# Altium PCB PiMX8MPIO_r0.1.PcbDoc (part 3 of 5) (continued)
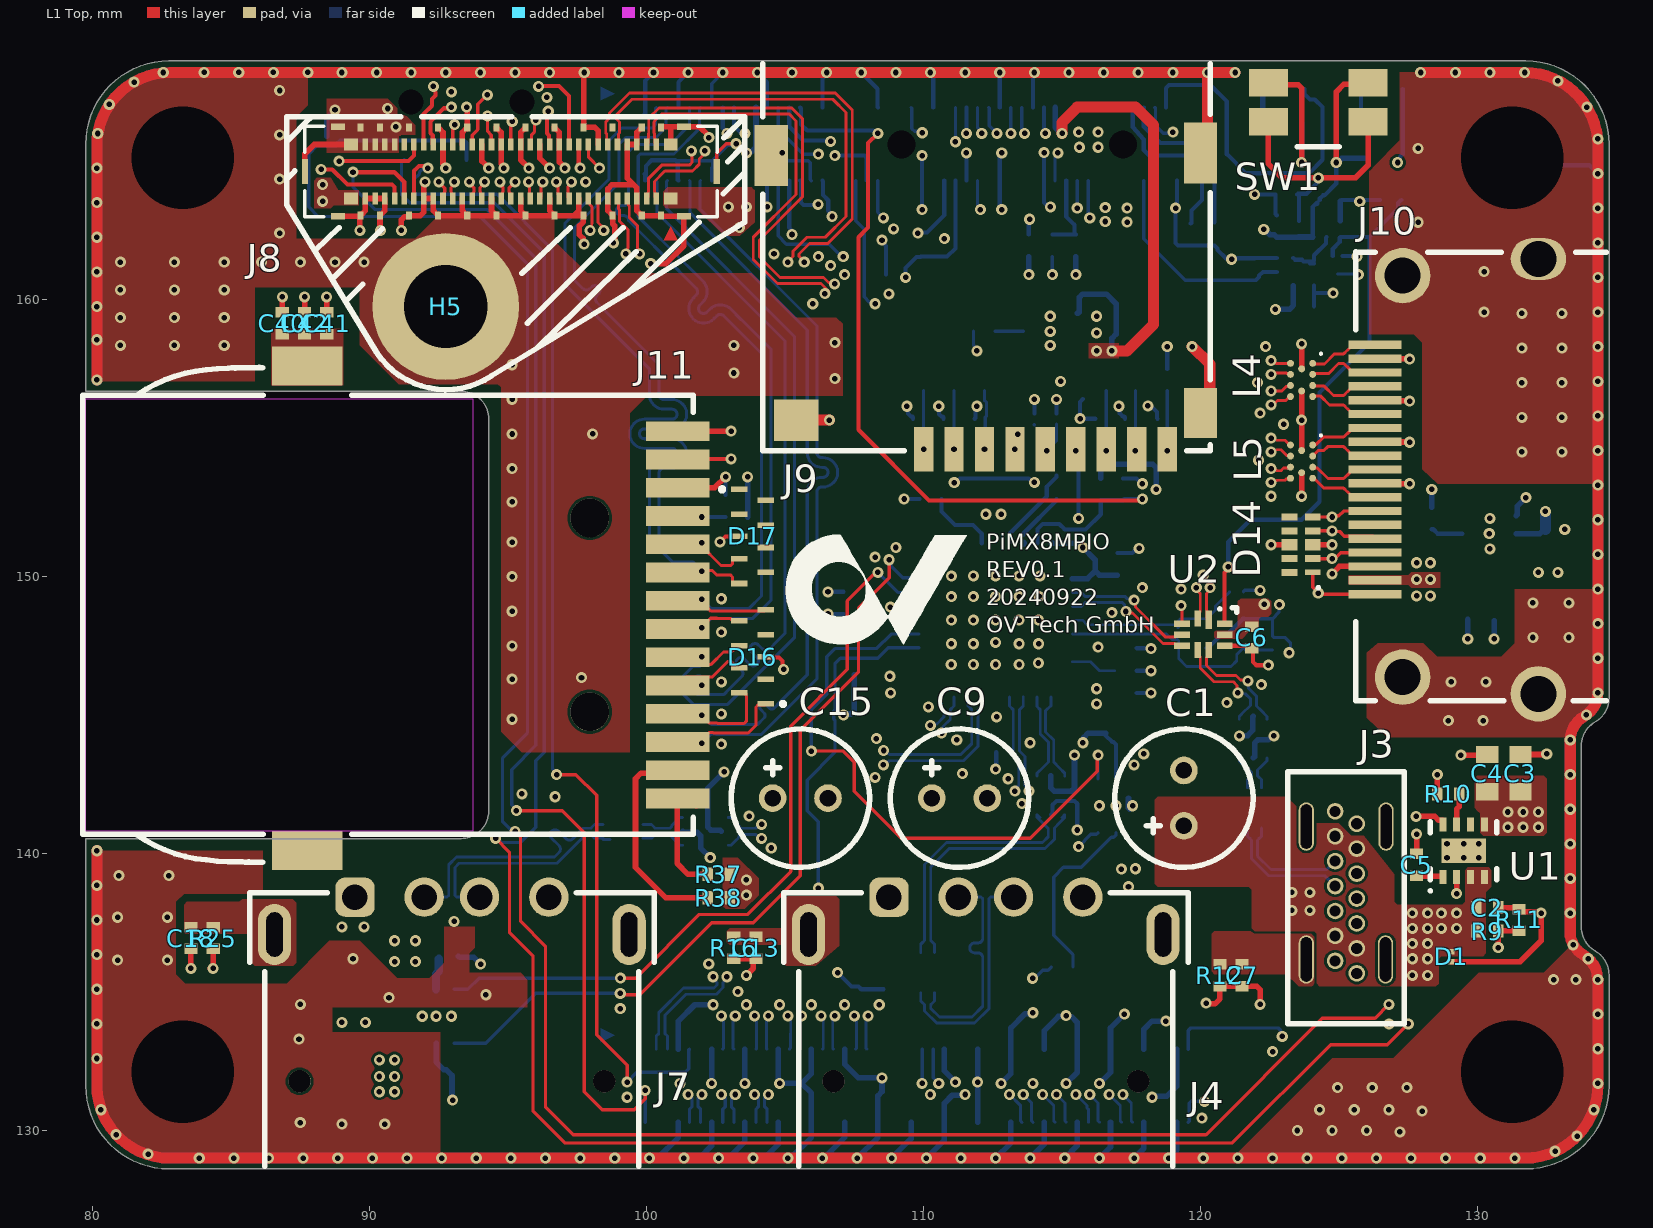
[diagram p0: L1 Top view]
## Nets (pads, with @x,y where several pads share a name; then routed paths per layer and width w, separated by ;. In a path a pad name is that pad's centre, name@x,y a point inside that pad or via, vN(x,y) a via of type N, cw(c..) or ccw(c..) an arc to the next point about the centre after c; other vN are vias at no path point) (continued)
  L8 SIG w0.12: 101.125,165.012 101.712,165.012 102.39,165.012 ; J1.14@102.35,164.292 J1.14@102.35,164.762 ; J1.13@102.35,166.932 102.35,167.796 v1(102.75,168.196) ; J1.14@102.39,164.762 102.39,165.012 ; v1(103.229,165.623) 103.176,165.569 102.923,165.569 102.39,165.036 102.39,165.012 ; J1.22@103.95,164.292 103.985,164.327 103.985,164.942 104.055,165.012 104.616,165.012 v1(104.9,165.296) 104.9,165.236 105.05,165.086 105.05,165.083 105.12,165.012 105.834,165.012 105.91,164.936 105.91,164.332 J1.32@105.95,164.292 ; v1(113.936,135.492) 114.012,135.492 114.305,135.786 114.495,135.786 R13.1@114.605,135.896 ; C25.2@121.55,149.446 121.6,149.496 v1@122.14,149.496 ; XTAL1.4@121.581,148.477 122.6,148.477 ; v1(122.85,148.986) 122.831,148.967 122.831,148.708 122.6,148.477 ; v1(123.198,147.246) 123.25,147.298 123.25,147.596 123.05,147.797 122.65,147.797 C24.2@122.6,147.846 122.6,148.477
  L8 SIG w0.123: R33.1@111.805,158.846 111.805,158.34 111.924,158.221 v1(111.924,158.146)
  L8 SIG w0.15: J1.2@99.925,164.53 99.95,164.505 J1.2@99.95,164.292 99.975,164.317 99.975,164.821 100.181,165.027 101.037,165.027 101.125,164.94 101.125,164.317 J1.8@101.15,164.292 ; J1.1@99.925,166.695 99.95,166.72 J1.1@99.95,166.932 99.95,167.896 v1(100.25,168.196) ; J1.7@101.15,166.932 101.15,167.846 v1(101.5,168.196) ; v1(102.85,153.596) 102.855,153.591 C39.2@102.855,152.946 ; v1(104,168.196) 104.35,167.846 J1.23@104.35,166.932 ; J1.33@106.35,166.932 106.35,167.984 106.5,168.134 v1(106.5,168.196) ; v1(106.55,147.946) 107.005,147.946 C23.2@107.105,147.846 ; v1(106.55,148.646) C20.2@107.105,148.646 ; v1(106.55,149.446) C21.2@107.105,149.446 ; v1(106.8,165.196) 107.862,165.196 107.95,165.109 J1.42@107.95,164.292 ; v1(106.9,135.696) 107.401,135.195 107.651,135.195 C10.2@107.75,135.096 C11.2@108.55,135.096 ; v1(107.75,168.196) 108.338,167.608 108.338,166.944 J1.43@108.35,166.932 ; v1(109.3,152.796) R23.1@109.855,152.796 ; v1(109.4,156.146) 109.436,156.111 109.436,155.881 109.545,155.771 109.595,155.771 109.62,155.746 D10.2@109.62,155.696 ; v1(109.95,163.246) v1(109.95,165.196) ; v1(110.25,168.196) 110.25,168.129 110.35,168.029 J1.53@110.35,166.932 ; v1(110.55,156.146) 110.564,156.132 110.564,155.859 110.652,155.771 110.695,155.771 110.72,155.746 D11.2@110.72,155.696 ; v1(111.107,153.389) 111.168,153.389 111.32,153.541 C28.2@112.603,153.541 113.797,153.541 113.942,153.396 v1(114,153.396) ; J1.60@111.55,164.292 v1(111.55,165.296) ; v1(111.55,165.996) J1.59@111.55,166.932 ; D13.2@111.85,155.696 111.875,155.721 111.875,156.03 111.924,156.079 v1(111.924,156.146) ; v1(112.6,143.046) 112.625,143.071 C34.2@112.625,143.651 ; J1.65@112.75,166.932 v1(112.75,168.196) ; v1(112.824,163.246) 112.824,163.314 112.75,163.388 112.75,165.155 112.824,165.229 v1(112.824,165.296) ; J1.71@113.95,166.932 113.95,168.079 114,168.129 v1(114,168.196) ; D6.2@114,155.886 v1(114,156.396) ; v1(114.353,165.3) 114.35,165.297 J1.74@114.35,164.292 114.35,163.502 114.512,163.34 v1(114.579,163.34) ; D4.2@114.6,141.396 114.659,141.455 114.659,141.755 114.8,141.896 115.45,141.896 115.55,141.796 v1(115.55,140.846) ; D12.2@114.8,155.886 v1(114.8,156.396) ; v1(115.5,154.546) 115.5,154.479 115.595,154.384 R22.1@115.595,153.646 115.595,152.101 v1(115.6,152.096) ; C36.2@115.75,156.401 115.65,156.301 v1(115.65,155.696) D8.2@116.2,155.696 ; C8.2@116.575,144.346 116.575,144.261 116.815,144.021 116.862,144.021 116.95,143.933 U3.5@116.95,142.696 ; C32.2@117,150.841 117.537,150.841 117.66,150.964 117.736,150.964 v1(117.784,151.012) ; v1(117.05,156.146) 117.086,156.111 117.086,155.881 117.195,155.771 117.245,155.771 117.27,155.746 D9.2@117.27,155.696 ; C19.2@117.2,153.541 117.687,153.541 117.882,153.346 v1(117.9,153.346) ; C31.2@117.695,145.796 v1(118.213,145.796) ; R27.1@117.695,146.596 v1(118.213,146.596) ; C22.2@117.696,147.418 117.705,147.409 118.2,147.409 v1(118.213,147.396) ; v1(118.1,156.161) 118.148,156.113 118.246,156.113 118.425,155.934 118.425,155.721 D7.2@118.45,155.696 ; J1.98@119.15,164.292 119.15,163.346 v1(119.1,163.296) 119.1,162.039 119.188,161.951 R6.1@119.6,161.951 R7.1@120.45,161.951 120.5,161.951 120.615,161.836 120.615,161.786 120.91,161.491 R18.1@121.95,161.491 121.955,161.496 U9.3@122.75,161.496 ; XTAL1.2@120.225,147.421 120.275,147.421 120.8,147.946 121,147.946 121.525,148.471 XTAL1.4@121.575,148.471 ; v1(121.95,163.796) R15.1@122.705,163.796 122.705,163.086 R14.2@122.75,163.041 ; C26.2@124.104,159.755 124.104,160.229 ; R17.1@124.104,160.503 124.104,160.229 ; v1(124.786,160.229) 124.104,160.229 ; C12.2@125.095,163.596 125.63,163.596 125.681,163.545 v1(125.749,163.545) ; Q1.2@125.125,161.571 125.625,161.571 v1(125.65,161.546) ; v1@125.8,163.596 R19.1@126.479,163.596 ; H4.MT@131.25,165.112 131.515,164.847 134.049,164.847 v1(134.35,164.546)
  L8 SIG w0.2: D2.2@88.45,165.901 88.45,166.546 v1(88.75,166.846) ; U5.5@92.4,133.146 92.4,132.471 92.675,132.196 92.76,132.196 92.975,131.981 92.975,131.121 v1(93,131.096) ; R20.1@93.205,136.287 93.245,136.246 93.767,136.246 v1(94.01,136.004) ; v1(100.099,129) 100.103,129.004 100.403,129.004 101.15,129.751 J2.8@101.15,130.292 ; J2.7@101.15,132.932 101.15,133.946 101.74,134.536 v1(102.4,134.536) ; D5.2@101.3,140.796 101.341,140.755 101.833,140.755 101.95,140.638 101.95,140.196 v1(102.3,139.846) ; v1(101.349,129) 101.904,129 102.35,129.446 J2.14@102.35,130.292 ; v1(102.35,131.696) J2.13@102.35,132.932 ; v1(102.599,129) 102.954,129 103.55,129.596 J2.20@103.55,130.292 ; v1(103.55,131.696) J2.19@103.55,132.932 ; v1(103.849,129) 104.254,129 104.75,129.496 J2.26@104.75,130.292 ; v1@104.75,131.801 J2.25@104.75,132.932 ; v1(104.8,131.696) 105.6,131.696 ; v1(105.099,129) 105.099,129.054 v1@105.15,129.105 ; v1@105.199,129 105.95,129.751 J2.32@105.95,130.292 105.95,131.346 105.6,131.696 ; J2.31@105.95,132.932 105.95,132.046 105.6,131.696 ; v1@106.399,129 107.15,129.751 J2.38@107.15,130.292 ; v1(107.107,144.996) 107.145,145.035 107.368,145.035 107.505,145.172 C33.2@107.505,146.446 ; J2.37@107.15,132.932 107.15,132.394 107.647,131.896 v1(108.5,131.896) 108.5,131.396 108.35,131.246 108.35,129.751 v1(107.599,129) ; v1(108.849,129) 109.55,129.701 J2.50@109.55,130.292 ; v1(110.099,129) 110.75,129.651 J2.56@110.75,130.292 110.75,130.981 111.037,131.268 111.471,131.268 v1(111.5,131.296) ; J2.55@110.75,132.932 110.75,132.146 v1(111.15,131.746) ; J2.62@111.95,130.292 v1(111.95,131.746) J2.61@111.95,132.932 ; v1(112.599,129) 113.15,129.551 J2.68@113.15,130.292 ; v1(112.8,131.696) 113.15,132.046 113.15,133.696 113.671,134.218 113.921,134.218 v1(113.95,134.246) ; v1(113.849,129) 114.35,129.501 J2.74@114.35,130.292 ; J2.73@114.35,132.932 114.35,133.596 114.871,134.118 115.121,134.118 v1(115.15,134.146) 115.188,134.108 115.338,134.108 115.55,133.896 J2.79@115.55,132.932 115.55,132.096 v1(115.15,131.696) ; v1(115.099,129) 115.55,129.451 J2.80@115.55,130.292 ; J4.4@115.75,138.422 J4.4@115.983,138.189 ; v1(115.75,143.996) 115.788,144.035 115.788,144.193 115.941,144.346 C8.2@116.575,144.346 ; v1(116.349,129) 116.75,129.401 J2.86@116.75,130.292 ; v1(116.35,131.696) 116.75,132.096 J2.85@116.75,132.932 116.75,133.696 v1(117.25,134.196) ; U3.7@117.4,141.996 117.4,141.646 U3.7@117.45,141.596 ; v1(117.599,129) 117.95,129.351 J2.92@117.95,130.292 ; J2.91@117.95,132.932 117.95,133.646 118.25,133.946 v1(118.75,133.946) ; v1(118.25,131.196) 118.288,131.235 118.788,131.235 119.15,131.596 J2.97@119.15,132.932 ; v1(118.849,129) 119.15,129.301 J2.98@119.15,130.292 ; v1(121.4,144.246) 121.409,144.255 121.698,144.255 121.883,144.439 121.883,144.93 D3.5@121.9,144.947 ; U8.4@125.05,162.836 C12.2@125.05,163.551 ; R35.1@128.35,152.491 v1(128.35,153.146) ; v1(129.65,147.746) D15.2@129.65,148.446 ; v1(130.6,147.746) C37.2@130.6,148.401 ; U7.5@131.4,151.546 132.255,151.546 132.4,151.691 C38.2@132.45,151.691
  L8 SIG w0.4: v1(80.15,140.096) v1(80.15,138.846) v1(80.15,137.596) v1(80.15,136.346) v1(80.15,135.096) v1(80.15,133.846) v1(80.15,132.596) 80.15,131.644 ccw(c82.798,131.644) 82.8,128.996 ; v1(80.15,157.096) v1(80.15,158.546) v1@80.15,159.646 ; v1(80.15,159.746) v1(80.15,160.996) v1(80.15,162.246) v1(80.15,163.496) v1(80.15,164.746) 80.15,165.545 cw(c82.798,165.548) 82.798,168.196 v1(89,168.196) v1(90.25,168.196) v1(91.5,168.196) v1(92.75,168.196) v1(94,168.196) v1(95.25,168.196) v1(96.5,168.196) v1(97.75,168.196) v1(99,168.196) v1(100.25,168.196) v1(101.5,168.196) v1(102.75,168.196) v1(104,168.196) v1(105.25,168.196) v1(106.5,168.196) v1(107.75,168.196) v1(109,168.196) v1(110.25,168.196) v1(111.5,168.196) v1(112.75,168.196) v1(114,168.196) v1(115.25,168.196) v1(116.5,168.196) v1(117.75,168.196) v1(119,168.196) v1(120.25,168.196) v1(121.25,168.196) ; 82.802,128.996 cw(c82.798,131.644) 82.8,128.996 ; v1@123.849,128.996 105.099,128.996 103.849,128.996 82.8,128.996 ; v1(123.849,129) 123.853,128.996 125.096,128.996 v1(125.099,129) 125.103,128.996 v1@126.3,128.996 ; v1@126.349,128.996 131.702,128.996 ccw(c131.702,131.644) 134.35,131.648 v1(134.35,131.696) v1(134.35,132.946) v1(134.35,134.196) v1(134.35,135.446) 134.35,135.449 134.335,135.464 ccw(c133.335,135.464) 133.835,136.33 cw(c134.335,137.196) 133.35,137.023 v1(133.35,137.846) 133.35,139.096 133.35,140.346 133.349,141.596 133.349,142.846 133.349,144.096 v1@133.349,144.123 ; v1(127.95,168.196) v1(129.2,168.196) v1(130.45,168.196) 131.698,168.196 cw(c131.702,165.548) 134.35,165.548 ; C38.2@132.45,151.691 v1(132.45,152.346) ; v1@133.35,144.08 cw(c134.35,144.08) 133.85,144.946 ccw(c133.35,145.813) v1@134.35,145.813 ; v1@134.35,145.846 v1(134.35,147.046) v1(134.35,148.296) v1(134.35,149.546) v1(134.35,150.796) v1(134.35,152.046) v1(134.35,153.296) v1(134.35,154.546) v1(134.35,155.796) v1(134.35,157.046) v1@134.35,158.245 ; v1(134.35,158.296) v1(134.35,159.546) v1(134.35,160.796) v1(134.35,162.046) v1(134.35,163.296) v1(134.35,164.546) 134.35,165.496
  other v1: 83.849,129 85.099,129 86.349,129 87.599,129 88.849,129 90.099,129 91.349,129 92.599,129 93.849,129 95.099,129 96.349,129 97.599,129 98.849,129 106.349,129 111.349,129 120.099,129 121.349,129 122.599,129 126.349,129 127.599,129 128.849,129 130.099,129 131.349,129 82,129.146 132.8,129.246 133.6,129.796 80.85,129.846 127.2,129.946 123.5,129.996 124.75,129.996 126,129.996 88.996,130.228 90.546,130.228 87.496,130.278 120.05,130.446 128,130.696 80.3,130.746 124.3,130.746 125.55,130.746 126.8,130.746 134.2,130.746 99.3,131.196 110.25,131.296 124.95,131.546 126.2,131.546 127.45,131.546 101.2,131.696 113.95,131.696 122.6,132.846 87.45,133.296 126.8,133.846 89,133.896 89.85,133.896 91.9,134.121 92.4,134.121 92.95,134.121 99.05,134.396 87.5,134.546 103.6,134.536 104.8,134.536 105.95,134.536 107.15,134.536 108.4,134.536 120.2,134.596 90.7,134.796 94.2,134.896 103.3,135.011 132.75,135.446 133.55,135.446 102.245,136.011 80.9,136.146 82.7,136.146 89.4,136.196 134,136.196 133.45,136.696 93.05,137.546 80.9,137.696 82.7,137.696 132.3,137.846 133.35,139.096 80.95,139.196 82.75,139.196 128.9,139.846 129.5,139.846 130.05,139.846 104.5,140.196 128.9,140.346 129.5,140.346 130.05,140.346 133.35,140.346 103.7,141.346 133.35,141.596 116.35,141.721 116.95,141.721 117.55,141.721 113.55,141.796 96.7,142.046 95.5,142.146 113.05,142.696 108.25,142.746 133.35,142.846 111.404,142.879 102.7,143.946 113.85,143.996 111.2,144.096 133.35,144.096 108.3,144.146 128.95,144.796 130.2,144.796 95.145,144.843 133.934,145.005 102.7,145.038 110.173,145.288 120.95,145.446 134.35,145.796 122.2,146.096 102.7,146.196 129.05,146.196 130.3,146.196 95.145,146.293 97.65,146.346 111,146.821 111.8,146.821 112.6,146.821 113.45,146.821 114.145,146.876 95.145,147.493 111.006,147.571 111.8,147.571 113.45,147.571 114.158,147.571 112.6,147.621 132,147.796 133.3,147.796 102.7,147.988 111.006,148.421 111.8,148.421 112.6,148.421 113.45,148.421 114.158,148.421 116.8,148.696 95.145,148.743 132,149.046 133.3,149.046 102.7,149.196 111.006,149.271 111.8,149.271 112.6,149.271 113.45,149.271 114.168,149.279 127.8,149.296 128.3,149.296 122.15,149.496 119.3,149.546 117.9,149.596 95.145,149.993 111.006,150.016 111.8,150.021 112.6,150.021 113.45,150.021 114.2,150.021 120.1,150.046 127.8,150.496 128.3,150.496 108.25,150.696 130.45,150.996 109,151.046 95.145,151.243 130.425,151.546 133.15,151.696 130.45,152.096 95.145,152.693 122.55,152.896 95.145,153.893 122.1,154.196 131.6,154.496 133.05,154.496 95.145,155.143 98.05,155.146 123,155.496 123.65,155.646 131.6,155.746 133.05,155.746 122.15,155.896 95.145,156.393 122.05,156.996 131.6,156.996 133.05,156.996 114.952,157.047 106.8,157.146 103.15,157.346 95.145,157.643 131.6,158.246 133.05,158.246 122.35,158.296 81,158.346 82.95,158.346 84.75,158.346 103.15,158.346 114.575,158.346 106.8,158.446 116.25,158.796 114.575,158.846 81,159.346 82.95,159.346 84.75,159.346 114.575,159.396 116.25,159.396 131.6,159.496 133.05,159.496 130.24,159.546 106,159.846 108.75,160.199 81,160.346 82.95,160.346 84.75,160.346 107.15,160.896 130.24,161.004 106.643,161.224 81,161.346 82.95,161.346 84.75,161.346 86.1,161.346 87.5,161.346 88.75,161.346 89.8,161.346 121.124,161.453 106.2,161.546 104.6,161.646 110.75,162.196 86.75,162.396 108.921,162.552 127.86,162.789 97.8,164.246 86.75,164.346 127.86,165.456 134.35,165.796 86.75,165.946 80.184,165.994 90.947,166.233 90.65,166.896 133.95,166.946 80.6,167.046 96.4,167.296 92.95,167.496 86.75,167.546 81.5,167.846 132.9,167.896 82.55,168.196 84.024,168.201 85.274,168.201 86.524,168.201 87.774,168.201 131.7,168.196
GPIO_VREF: J1.78 R4.1 R5.1 | length 2.9
  L8 SIG w0.15: R5.1@114.65,162.341 R4.1@115.5,162.341 115.45,162.391 115.45,162.696 115.15,162.996 J1.78@115.15,164.292
HDMI_5V: C37.1 D15.1 J10.18 U7.1
  other v1: 127.8,149.896 128.3,149.896
HDMI_CEC: D14.5 J2.51 J10.13 | length 37.1
  L1 Top w0.123: D14.5@124.05,152.146 v1(124.75,152.146) 124.799,152.195 124.999,152.195 125.166,152.362 J10.13@125.5,152.362
  L6 SIG w0.123: v1(109.95,131.696) 109.9,131.696 109.55,131.346 109.55,130.946 109.85,130.646 118.2,130.646 121.45,133.896 121.45,142.396 123.6,144.546 123.6,151.696 124.05,152.146 v1@124.739,152.146
  L8 SIG w0.123: v1@109.95,131.746 J2.51@109.95,132.932
HDMI_CLK_N: J2.90 L5.C4 | length 37.4
  L1 Top w0.103: v1(122.55,153.396) 122.607,153.453 122.737,153.453 122.759,153.475 123.042,153.475 123.085,153.518 123.222,153.518 L5.C4@123.25,153.546
  L6 SIG w0.103: v1(117.2,131.296) 117.143,131.353 117.143,131.502 117.14,131.505 117.14,132.836 117.3,132.996 117.586,133.282 cw(c117.711,133.158) 117.836,133.282 117.885,133.233 ccw(c118.01,133.358) 118.135,133.233 ccw(c118.01,133.358) 118.135,133.483 118.085,133.532 cw(c118.21,133.657) 118.085,133.782 118.65,134.346 118.751,134.447 119.743,135.44 120.6,136.296 120.6,137.548 ccw(c120.087,137.548) 120.087,138.061 120.025,138.061 cw(c120.025,138.238) 120.025,138.414 120.561,138.414 ccw(c120.561,138.927) 120.561,139.441 120.025,139.441 cw(c120.025,139.617) 120.025,139.794 120.087,139.794 ccw(c120.087,140.307) 120.6,140.307 120.607,140.314 120.607,143.58 120.6,143.587 ccw(c120.087,143.587) 120.087,144.1 119.777,144.1 cw(c119.777,144.277) 119.777,144.453 120.095,144.453 ccw(c120.095,144.967) 120.095,145.48 119.777,145.48 cw(c119.777,145.656) 119.777,145.833 120.495,145.833 ccw(c120.495,146.346) 120.495,146.86 119.777,146.86 cw(c119.777,147.036) 119.777,147.213 121.413,147.213 ccw(c121.413,147.726) 121.413,148.239 120.776,148.239 cw(c120.776,148.416) 120.6,148.416 120.6,148.601 120.635,148.636 122.089,150.09 122.089,153.415 122.149,153.475 122.341,153.475 122.363,153.453 122.493,153.453 v1(122.55,153.396)
  L8 SIG w0.103: v1(117.2,131.296) 117.502,130.995 117.502,130.341 J2.90@117.55,130.292
HDMI_CLK_P: J2.88 L5.C3 | length 37.5
  L1 Top w0.103: v1(122.55,153.896) 122.607,153.84 122.737,153.84 122.759,153.818 122.9,153.818 123,153.918 123.222,153.918 L5.C3@123.25,153.946
  L6 SIG w0.103: v1(116.7,131.296) 116.7,131.377 116.803,131.48 116.803,132.976 118.611,134.784 119.46,135.633 120.263,136.436 120.263,137.548 ccw(c120.087,137.548) 120.087,137.724 120.025,137.724 cw(c120.025,138.238) 120.025,138.751 120.561,138.751 ccw(c120.561,138.927) 120.561,139.104 120.025,139.104 cw(c120.025,139.617) 120.025,140.131 120.087,140.131 ccw(c120.087,140.307) 120.263,140.307 ; 120.26,142.596 120.26,143.584 120.263,143.587 ccw(c120.087,143.587) 120.087,143.764 119.777,143.764 cw(c119.777,144.277) 119.777,144.79 120.095,144.79 ccw(c120.095,144.967) 120.095,145.143 119.777,145.143 cw(c119.777,145.656) 119.777,146.17 120.495,146.17 ccw(c120.495,146.346) 120.495,146.523 119.777,146.523 cw(c119.777,147.036) 119.777,147.549 121.413,147.549 ccw(c121.413,147.726) 121.413,147.902 120.776,147.902 cw(c120.776,148.416) 120.263,148.416 120.263,148.636 120.263,148.74 121.752,150.229 121.752,153.56 122.004,153.812 122.146,153.812 122.153,153.818 122.341,153.818 122.363,153.84 122.493,153.84 v1(122.55,153.896) ; 120.263,142.596 120.263,140.307 ; 120.267,140.303 120.263,140.307
  L8 SIG w0.103: v1(116.7,131.296) 117.102,130.895 117.102,130.341 J2.88@117.15,130.292
HDMI_HPD: D14.1 J2.53 J10.19 | length 38.6
  L1 Top w0.123: D14.1@124.05,150.146 124.05,149.607 124.25,149.407 v1(124.25,149.396) 124.284,149.362 J10.19@126.3,149.362
  L6 SIG w0.123: v1(110.55,131.696) 110.526,131.72 110.526,131.97 110.25,132.246 109.65,132.246 109.05,131.646 109.05,130.546 109.35,130.246 118.55,130.246 121.8,133.496 121.8,142.096 124.25,144.546 v1(124.25,149.396)
  L8 SIG w0.123: J2.53@110.35,132.932 110.35,131.907 110.55,131.707 v1(110.55,131.696)
HDMI_SCL: D14.4 J2.100 J10.15 | length 27.3
  L1 Top w0.123: D14.4@124.05,151.646 v1(124.75,151.646) 124.774,151.622 125.024,151.622 125.196,151.451 126.212,151.451 J10.15@126.3,151.362
  L6 SIG w0.123: v1(120.15,131.046) 122.55,133.446 122.55,141.946 125.35,144.746 125.35,148.896 124.25,149.996 124.25,151.546 124.4,151.696 124.7,151.696 v1(124.75,151.646)
  L8 SIG w0.123: J2.100@119.55,130.292 119.588,130.331 119.588,130.974 119.661,131.046 v1(120.15,131.046)
HDMI_SDA: D14.2 J2.99 J10.16 | length 25.7
  L1 Top w0.123: D14.2@124.05,150.646 v1(124.749,150.647) ; v1@124.922,150.719 125.066,150.862 J10.16@126.3,150.862
  L6 SIG w0.123: v1(122.95,133.396) 122.95,141.596 125.9,144.546 125.9,149.946 125.199,150.647 v1(124.749,150.647)
  L8 SIG w0.123: J2.99@119.55,132.932 119.56,132.943 119.56,133.607 119.65,133.696 122.808,133.696 122.897,133.607 122.897,133.449 v1(122.95,133.396)
HDMI_TX0_N: J2.84 L5.C2 | length 37.8
  L1 Top w0.105: 122.759,154.574 122.907,154.574 123.107,154.374 123.222,154.374 L5.C2@123.25,154.346
  L6 SIG w0.105: v1(116,131.296) 115.944,131.353 115.944,131.484 115.923,131.505 115.923,132.317 115.923,133.131 cw(c116.1,133.131) 116.1,133.308 116.385,133.308 ccw(c116.385,133.831) 116.385,134.353 116.015,134.353 cw(c116.015,134.531) 116.015,134.708 117.363,134.708 ccw(c117.363,135.231) 117.363,135.753 115.675,135.753 cw(c115.675,135.931) 115.675,136.108 117.363,136.108 ccw(c117.363,136.631) 117.363,137.153 117.286,137.153 cw(c117.286,137.331) 117.16,137.456 117.61,137.906 118.4,138.696 118.4,139.196 118.4,141.296 118.4,141.704 cw(c118.578,141.704) 118.578,141.881 118.608,141.881 ccw(c118.608,142.059) 118.608,142.236 118.578,142.236 cw(c118.578,142.414) 118.4,142.414 118.4,142.796 118.4,142.908 118.9,143.408 118.9,149.946 121.2,152.246 121.2,154.346 121.564,154.711 122.336,154.711 v1(122.55,154.496) ; 118.399,138.766 118.399,140.146 118.399,140.166
  L8 SIG w0.105: v1(116,131.296) 116.303,130.994 116.303,130.34 J2.84@116.35,130.292
HDMI_TX0_P: J2.82 L5.C1 | length 36.4
  L1 Top w0.105: 122.759,154.919 123.05,154.919 123.223,154.746 L5.C1@123.25,154.746
  L6 SIG w0.105: v1(115.5,131.296) 115.556,131.353 115.556,131.484 115.578,131.505 115.578,132.317 115.578,133.131 cw(c116.1,133.131) 116.1,133.653 116.385,133.653 ccw(c116.385,133.831) 116.385,134.008 116.015,134.008 cw(c116.015,134.531) 116.015,135.053 117.363,135.053 ccw(c117.363,135.231) 117.363,135.408 115.675,135.408 cw(c115.675,135.931) 115.675,136.453 117.363,136.453 ccw(c117.363,136.631) 117.363,136.808 117.286,136.808 cw(c117.286,137.331) 116.916,137.7 117.122,137.906 117.512,138.296 118.055,138.839 118.055,142.596 118.055,143.051 118.555,143.551 118.555,150.089 120.855,152.389 120.855,154.489 121.362,154.996 v1(122.55,154.996)
  L8 SIG w0.105: v1(115.5,131.296) 115.9,130.896 115.9,130.871 115.903,130.869 115.903,130.81 115.95,130.762 J2.82@115.95,130.292
HDMI_TX1_N: J2.78 L4.C4 | length 37.5
  L1 Top w0.105: v1(122.55,156.196) 122.63,156.196 122.785,156.351 123.077,156.351 123.121,156.395 123.223,156.496 L4.C4@123.25,156.496
  L6 SIG w0.105: v1(114.8,131.296) 114.744,131.353 114.744,131.484 114.723,131.505 114.723,132.096 114.723,132.504 cw(c114.9,132.504) 114.9,132.681 114.961,132.681 ccw(c114.961,132.859) 114.961,133.036 114.9,133.036 cw(c114.9,133.214) 114.723,133.214 114.723,133.796 114.723,134.946 114.723,135.871 ccw(c114.2,135.871) 114.2,136.394 113.67,136.394 cw(c113.67,136.571) 113.67,136.749 114.2,136.749 ccw(c114.2,137.271) 114.723,137.271 114.723,138.196 114.723,140.631 116.638,142.546 117.15,143.058 117.15,143.721 ccw(c116.628,143.721) 116.628,144.244 116.615,144.244 cw(c116.615,144.421) 116.615,144.599 117.459,144.599 ccw(c117.459,145.121) 117.459,145.644 117.115,145.644 cw(c117.115,145.821) 117.115,145.999 117.348,145.999 ccw(c117.348,146.521) 117.348,147.044 117.327,147.044 cw(c117.327,147.221) 117.15,147.221 117.15,147.446 117.15,147.734 116.345,148.539 116.345,149.003 117.493,150.151 117.896,150.151 120.35,152.606 120.35,154.896 121.728,156.274 122.341,156.274 122.362,156.253 122.494,156.253 v1(122.55,156.196)
  L8 SIG w0.105: v1(114.8,131.296) 115.103,130.994 115.103,130.34 J2.78@115.15,130.292
HDMI_TX1_P: J2.76 L4.C3 | length 37.5
  L1 Top w0.105: v1(122.55,156.696) 122.935,156.696 122.979,156.74 123.107,156.869 123.222,156.869 L4.C3@123.25,156.896
  L6 SIG w0.105: v1(114.3,131.296) 114.356,131.353 114.356,131.484 114.378,131.505 114.378,134.946 114.378,135.871 ccw(c114.2,135.871) 114.2,136.049 113.67,136.049 cw(c113.67,136.571) 113.67,137.094 114.2,137.094 ccw(c114.2,137.271) 114.378,137.271 114.378,138.196 114.378,140.774 116.15,142.546 116.805,143.201 116.805,143.721 ccw(c116.628,143.721) 116.628,143.899 116.615,143.899 cw(c116.615,144.421) 116.615,144.944 117.459,144.944 ccw(c117.459,145.121) 117.459,145.299 117.115,145.299 cw(c117.115,145.821) 117.115,146.344 117.348,146.344 ccw(c117.348,146.521) 117.348,146.699 117.327,146.699 cw(c117.327,147.221) 116.805,147.221 116.805,147.446 116.805,147.591 116,148.396 116,149.146 117.35,150.496 117.753,150.496 120.005,152.748 120.005,155.039 121.585,156.619 122.341,156.619 122.362,156.64 122.494,156.64 v1(122.55,156.696)
  L8 SIG w0.105: v1(114.3,131.296) 114.703,130.894 114.703,130.34 J2.76@114.75,130.292
HDMI_TX2_N: J2.72 L4.C2 | length 37.5
  L1 Top w0.109: v1(122.55,157.296) 122.601,157.347 123.104,157.347 123.128,157.323 123.223,157.323 L4.C2@123.25,157.296
  L6 SIG w0.109: v1(113.6,131.296) 113.6,132.246 113.6,132.66 cw(c113.78,132.66) 113.78,132.839 113.854,132.839 ccw(c113.854,133.019) 113.854,133.198 113.78,133.198 cw(c113.78,133.378) 113.6,133.378 113.6,133.796 113.6,135.191 111.995,136.796 111,136.796 110.2,137.596 110.2,139.196 111.153,140.15 113.097,140.15 115.099,142.152 115.099,148.814 119.55,153.265 119.55,155.503 121.419,157.372 122.341,157.372 122.36,157.352 122.494,157.352 v1(122.55,157.296)
  L8 SIG w0.109: v1(113.6,131.296) 113.905,130.992 113.905,130.338 J2.72@113.95,130.292
HDMI_TX2_P: J2.70 L4.C1 | length 37.4
  L1 Top w0.109: 122.729,157.696 L4.C1@123.25,157.696
  L6 SIG w0.109: v1(113.1,131.296) 113.1,131.375 113.251,131.526 113.251,135.046 111.85,136.447 110.855,136.447 109.851,137.452 109.851,139.341 111.009,140.499 112.952,140.499 114.75,142.296 114.75,148.959 119.201,153.41 119.201,155.647 121.275,157.721 122.341,157.721 122.36,157.741 122.494,157.741 v1(122.55,157.796)
  L8 SIG w0.109: v1(113.1,131.296) 113.505,130.892 113.505,130.338 J2.70@113.55,130.292
I2C_SCL: J1.56 J8.20 | length 21.4
  L1 Top w0.15: v1(96.1,167.696) 96.11,167.706 96.84,167.706 97.2,167.346 J8.20@97.2,165.596
  L6 SIG w0.12: v1(96.1,167.696) 98.72,167.696 101.47,164.946 105.55,164.946 106.15,164.346 107.9,164.346 109.797,162.449 v1(109.797,162.396)
  L8 SIG w0.15: v1(109.797,162.396) 109.825,162.424 110.123,162.424 110.75,163.051 J1.56@110.75,164.292
I2C_SDA: J1.58 J8.18 | length 20.7
  L1 Top w0.15: J8.18@97.55,165.596 97.55,164.864 97.6,164.814 v1(97.6,164.746)
  L6 SIG w0.12: v1(97.6,164.746) 97.651,164.695 97.846,164.695 103.145,159.396 108.65,159.396 109.35,160.096 v1(109.35,160.796)
  L8 SIG w0.15: v1(109.35,160.796) 109.35,161.136 109.748,161.534 109.901,161.534 109.913,161.546 110.85,161.546 111.15,161.846 J1.58@111.15,164.292
MUX_USB_N: J2.3 U2.2 | length 38.4
  L1 Top w0.103: v1(119.85,149.596) 119.85,149.526 119.988,149.388 119.988,148.741 119.9,148.652 U2.2@119.9,148.483
  L3 SIG w0.102: v1(102.4,135.546) 102.4,135.558 102.644,135.802 102.644,135.928 103.013,136.296 104.55,136.296 105.695,135.151 118.983,135.151 120.669,136.837 120.669,143.678 119.994,144.353 119.994,149.388 119.85,149.531 v1(119.85,149.596)
  L8 SIG w0.103: J2.3@100.35,132.932 100.35,133.402 100.438,133.491 100.438,134.251 101.329,135.141 102.429,135.141 102.538,135.251 102.538,135.338 102.4,135.476 v1(102.4,135.546)
MUX_USB_P: J2.5 U2.1 | length 38.3
  L1 Top w0.103: U2.1@120.3,148.433 120.239,148.494 120.239,148.757 120.212,148.784 120.212,149.388 120.35,149.526 v1(120.35,149.596)
  L3 SIG w0.102: v1(102.9,135.546) 102.857,135.59 102.857,135.84 103.101,136.084 104.462,136.084 105.607,134.939 119.071,134.939 120.881,136.749 120.881,143.766 120.206,144.441 120.206,149.388 120.35,149.531 v1(120.35,149.596)
  L8 SIG w0.103: J2.5@100.75,132.932 100.75,133.402 100.662,133.491 100.662,134.158 101.421,134.917 102.521,134.917 102.762,135.158 102.762,135.338 102.9,135.476 v1(102.9,135.546)
NetC7_1: C7.1 J3.SHD R12.1
NetC13_1: C13.1 J4.Shell R16.1 | length 13.7
  L3 SIG w0.5: J4.Shell@105.85,137.072 105.85,137.063 106.173,136.739 106.907,136.739 107.6,136.046 116.15,136.046 117.176,137.072 J4.Shell@118.65,137.072
NetC18_1: C18.1 J7.Shell R25.1 | length 14.1
  L6 SIG w0.4: J7.Shell@86.57,137.072 86.582,137.061 87.536,137.061 89.15,135.446 96.35,135.446 97.976,137.072 J7.Shell@99.37,137.072
NetC40_1: C40.1 C41.1 C42.1 J11.Shell@87.75,157.596